# Altium PCB MiniRover.PcbDoc
Units mil, origin at the board's own origin, x right, y up, seen from the top; angles counter-clockwise.
Board outline 1425 x 870 mil, 2 copper layers (Top1, Bottom4), stack 42.17 mil thick; 56 components, 71 nets, 308 pads, 195 vias.
Unrouted connection lines stored in the file: 56.
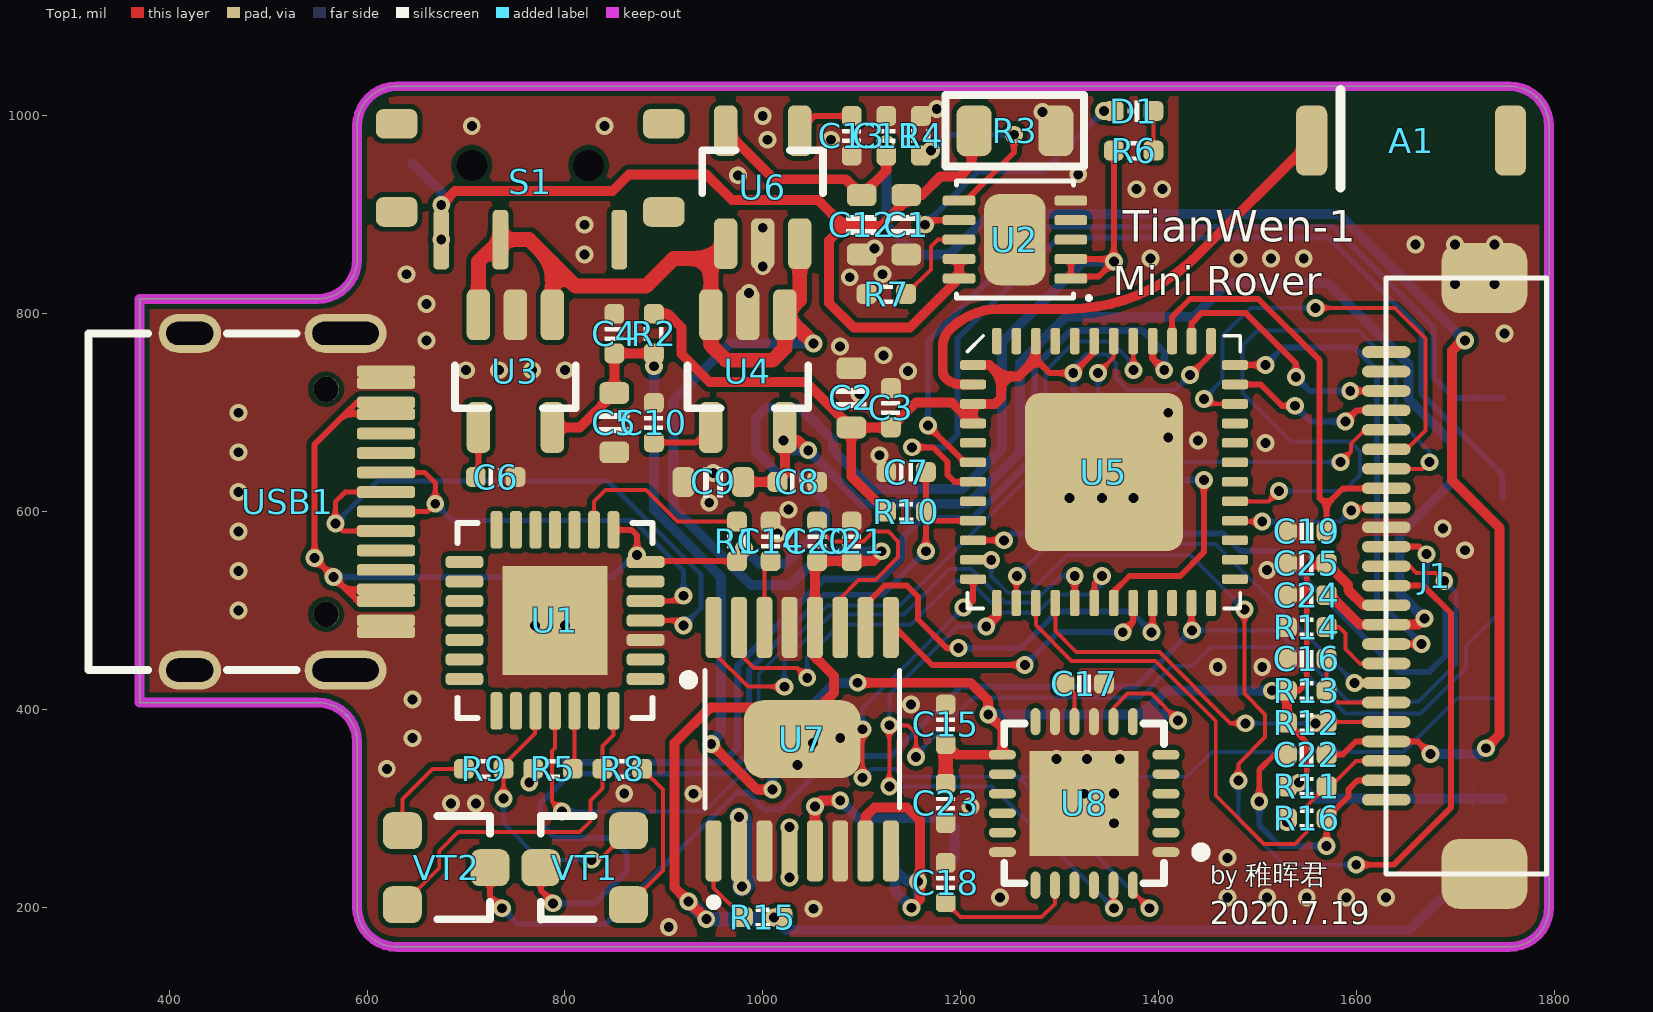
[diagram p0: Top1 view]
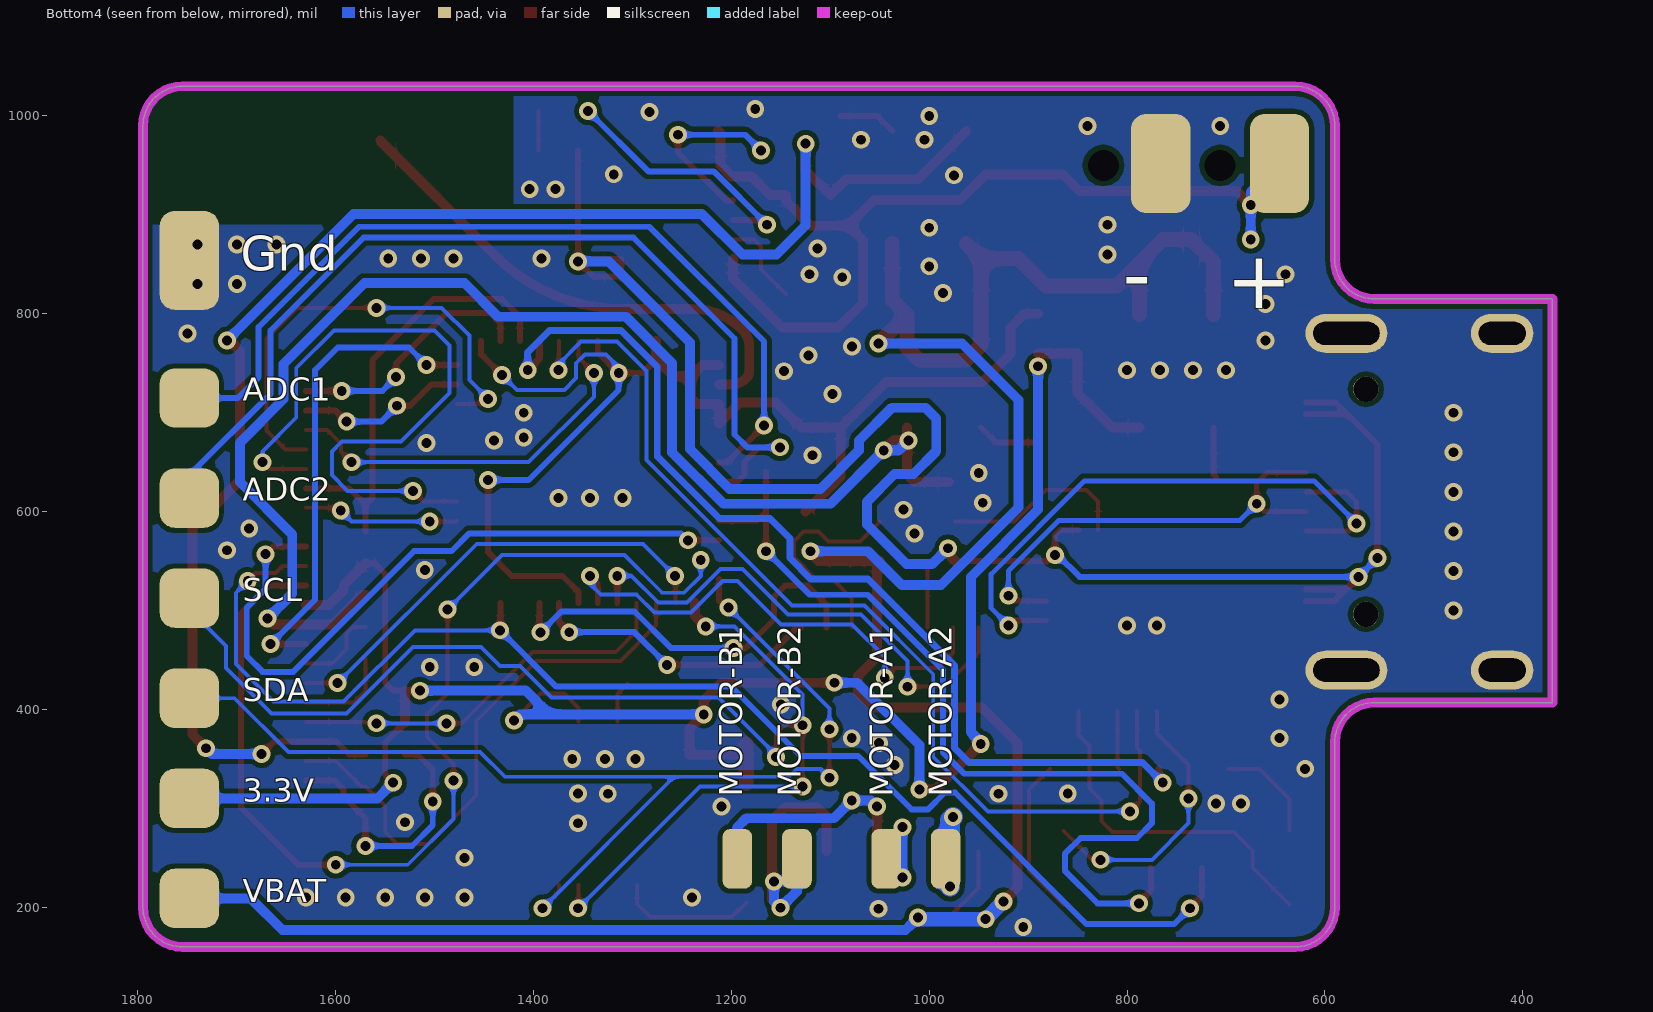
[diagram p1: Bottom4 view, seen from below]
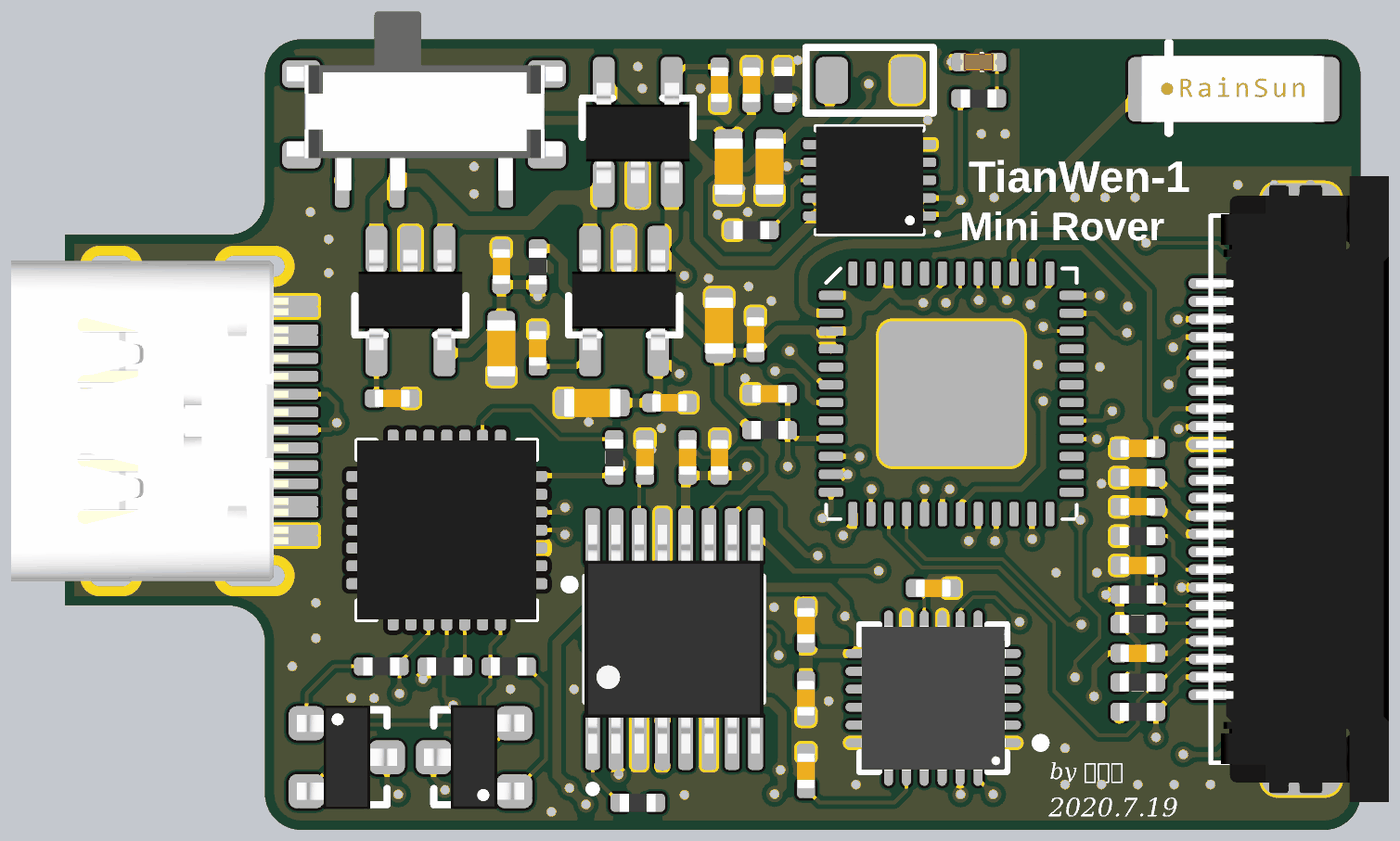
[diagram p2: 3D render of the assembled board from above, using the file's embedded part models]

## Layer stack, top to bottom
Top Solder: solder mask 0.4, Solder Resist, Dk 3.5
Top1: signal copper 1.4
Dielectric 2: core 39.37, PP-006, Dk 4.2
Bottom4: signal copper 1.4
Bottom Solder: solder mask 0.4, Solder Resist, Dk 3.5

## Board outline
370,407 370,815 550,815 ccw(c550,855) 590,855 590,990 cw(c630,990) 630,1030 1755,1030 cw(c1755,990) 1795,990 1795,200 cw(c1755,200) 1755,160 630,160 cw(c630,200) 590,200 590,367 ccw(c550,367) 550,407

## Design rules (kind name [scope] priority, off if disabled: settings)
Clearance [All] p1: gap=5 ignorepadtopadclearanceinfootprint=FALSE
ComponentClearance [All] p1: gap=0 collisioncheckmode=3 verticalgap=0 showdistances=FALSE
DiffPairsRouting [All] p1: maxlimit=9 minlimit=9 mostfreqgap=9 toplayer_minwidth=4 toplayer_maxwidth=4 toplayer_prefwidth=4 bottomlayer_minwidth=4 bottomlayer_maxwidth=4 bottomlayer_prefwidth=4 maxuncoupledlength=500
FanoutControl Fanout_BGA [All] p1: bgadir=Out bgaviamode=Centered fanoutstyle=Auto fanoutdirection=Alternating viagrid=1 // Fanout_BGA (Default Rule)
HoleSize [All] p1: absolutevalues=TRUE maxlimit=10000 minlimit=8 maxpercent=80.000 minpercent=20.000
MinimumSolderMaskSliver [All] p1 off: minsoldermaskwidth=2
PlaneClearance [All] p1: clearance=8
PlaneConnect [All] p1: planeconnectstyle=Direct reliefexpansion=20 reliefentries=4 reliefconductorwidth=10 reliefairgap=10
PolygonConnect [All] p1: connectstyle=Direct reliefconductorwidth=10 reliefentries=4 polygonreliefangle="90 Angle" airgapwidth=10
RoutingVias [All] p1: holewidth=8 width=16 viastyle="Through Hole" minholewidth=6 minwidth=12 maxholewidth=28 maxwidth=50
SilkToBoardRegionClearance [All] p1 off:
SilkToSilkClearance [All] p1: silktosilkclearance=0
SilkToSolderMaskClearance [IsPad] p1: minsilkscreentomaskgap=0 clearancetoexposedcopper=TRUE
SolderMaskExpansion [All] p1: expansion=3
Width [All] p1: maxlimit=10000 minlimit=4 preferedwidth=4
20 further rules are at their usual default settings.

## Classes and differential pairs
net class GND: GND

## Components (designator, comment, footprint, x,y, rotation, side; value= is the part's Value field where it differs from the comment)
A1 "RAINSUN" ANT-RAINSUN-AN5120 1655,975 r0 top
C1 "10uF" 0603-CAP 1145,890 r270 top value=0.1u
C2 "10uF" 0603-CAP 1089.57,715 r270 top value=0.1u
C3 "0.1uF" CAP_0402 1129.57,705 r270 top value=0.1u
C4 "0.1uF" CAP_0402 850,780 r270 top value=0.1u
C5 "10uF" 0603-CAP 850,690 r90 top value=0.1u
C6 "10nF" CAP_0402 730,635 r180 top value=0.1u
C7 "0.1uF" CAP_0402 1145,640 r180 top value=0.1u
C8 "0.1uF" CAP_0402 1035,630 r180 top value=0.1u
C9 "10uF" 0603-CAP 950,630 r0 top value=0.1u
C10 "10nF" CAP_0402 890,690 r270 top value=0.1u
C11 "0.1uF" CAP_0402 1125,980 r270 top value=0.1u
C12 "10uF" 0603-CAP 1100,890 r90 top value=0.1u
C13 "10nF" CAP_0402 1090,980 r90 top value=0.1u
C14 "2.2uF" CAP_0402 1008,570 r270 top value=0.1u
C15 "10nF" CAP_0402 1185,385 r90 top value=0.1u
C16 "0.1uF" CAP_0402 1550,451.11 r0 top value=0.1u
C17 "0.1uF" CAP_0402 1325,426 r0 top value=0.1u
C18 "2.2nF" CAP_0402 1185,225 r270 top value=0.1u
C19 "15pF" CAP_0402 1550,580 r180 top value=0.1u
C20 "10nF" CAP_0402 1055,570 r90 top value=0.1u
C21 "10uF" CAP_0402 1090,570 r270 top value=0.1u
C22 "0.1uF" CAP_0402 1550,354.44 r0 top value=0.1u
C23 "0.1uF" CAP_0402 1185,305 r90 top value=0.1u
C24 "0.1uF" CAP_0402 1550,515.56 r0 top value=0.1u
C25 "0.1uF" CAP_0402 1550,547.78 r0 top value=0.1u
D1 "color?" LED_0402_RED 1375,1005 r180 top
J1 "0.5S_A_24PWB" FPC-24P 1680,535 r90 top
R1 "10K" RES_0402 974,570 r90 top value=22R
R2 "0R" RES_0402 890,780 r90 top value=22R
R3 "BAT" 0805-L 1255,985 r0 top value=22R
R4 "2K" RES_0402 1160,980 r270 top value=22R
R5 "200R" RES_0402 788,340 r0 top value=22R
R6 "1K" RES_0402 1375,965 r0 top value=22R
R7 "10K" RES_0402 1125,820 r0 top value=22R
R8 "12K" RES_0402 858,340 r0 top value=22R
R9 "12K" RES_0402 718,340 r180 top value=22R
R10 "10K" RES_0402 1145,600 r0 top value=22R
R11 "10K" RES_0402 1550,322.22 r180 top value=22R
R12 "10K" RES_0402 1550,386.67 r180 top value=22R
R13 "10K" RES_0402 1550,418.89 r180 top value=22R
R14 "0R" RES_0402 1550,483.33 r180 top value=22R
R15 "47K" RES_0402 1000,190 r0 top value=22R
R16 "0R" RES_0402 1550,290 r180 top value=22R
S1 "SPDT 3P" SwitchSPDT_2.8X6.6_90 765,950 r180 top
U1 "CP2102" QFN-28 790,490 r180 top value=Value
U2 "MCP73833T-AMI/MF" QFN-10 1255,875 r180 top
U3 "LP2992 3V3" SOT23-5 750,740 r270 top
U4 "LP2992 1V2" SOT23-5 985,740 r270 top
U5 "ESP32_SIP" QFN-48_7X7 1345,640 r0 top
U6 "LP2992 2V8" SOT23-5 1000,930 r90 top
U7 "DRV8833PW" TSSOP-16 1040,370 r90 top
U8 "MPU6050" QFN-24 1325,305 r180 top
USB1 "Type-C" TYPE-C-TOP 520,610 r180 top
VT1 "S8050" SMT_TRIODE_NPN 820,240 r90 top
VT2 "S8050" SMT_TRIODE_NPN 680,240 r270 top

## Footprints (in the part's own frame and the unit in brackets; to place one, negate y for a bottom-side part, rotate by r counter-clockwise, add the part's x,y. Pads: shape width x height; smd on the part's side, far side on the other; paste and mask are expansions set on the pad)
0603-CAP [mil]
  rrect50% 22x30 smd: 1(-30,0) 2(30,0)
  silkscreen extent -10,-15 10,15, body extent -31,-16 32,16, height 31
0805-L [mm]
  rrect50% 0.9x1.3 smd: 1(-1.05,0) 2(1.05,0)
  silkscreen extent -1.78,-0.91 1.78,0.91, body extent -1,-0.6 1,0.6, height 0.76
ANT-RAINSUN-AN5120 [mm] "选择焊盘"
  rrect50% 0.8x1.8 smd: 1(-2.54,0) ""(2.563,0)
  silkscreen extent -1.8,-1.2 -1.8,1.3, body extent -2.57,-0.91 2.54,0.94, height 1.32
CAP_0402 [mil]
  rrect50% 20x20 smd: 1(-20,0) 2(20,0)
  silkscreen extent -7,-9 7,9, body extent -20,-10 20,10, height 20
FPC-24P [mm]
  oval 0.3x1.25 smd: 1(5.75,1.263) 2(5.25,1.263) 3(4.75,1.263) 4(4.25,1.263) 5(3.75,1.263) 6(3.25,1.263) 7(2.75,1.263) 8(2.25,1.263) 9(1.75,1.263) 10(1.25,1.263) 11(0.75,1.263) 12(0.25,1.263) 13(-0.25,1.263) 14(-0.75,1.263) 15(-1.25,1.263) 16(-1.75,1.263) 17(-2.25,1.263) 18(-2.75,1.263) 19(-3.25,1.263) 20(-3.75,1.263) 21(-4.25,1.263) 22(-4.75,1.263) 23(-5.25,1.263) 24(-5.75,1.263)
  rrect50% 1.8x2.2 smd: ""(-7.65,-1.263) ""(7.65,-1.263)
  silkscreen extent -7.65,-2.85 7.65,1.26, body extent -8.75,-3.72 8.75,1.68, height 2.12
LED_0402_RED [mil]
  rrect50% 20x20 smd: 1(-20,0) 2(20,0)
  silkscreen extent -6,-10 6,10, body extent -20,-10 20,10, height 18
QFN-10 [mm]
  rrect50% 0.84x0.26 smd: 1(-1.435,1) 2(-1.435,0.5) 3(-1.435,0) 4(-1.435,-0.5) 5(-1.435,-1) 6(1.435,-1) 7(1.435,-0.5) 8(1.435,0) 9(1.435,0.5) 10(1.435,1)
  rrect50% 1.58x2.35 smd: 11(0,0)
  silkscreen extent -1.95,-1.5 1.5,1.55, body extent -1.5,-1.5 1.5,1.5, height 0.6
QFN-24 [mm] "QFN, 24-Leads, Body 4.1x4.1mm (max), Pitch 0.50mm, IPC Low Density"
  oval 0.7x0.25 smd: 1(-2.1,1.25) 2(-2.1,0.75) 3(-2.1,0.25) 4(-2.1,-0.25) 5(-2.1,-0.75) 6(-2.1,-1.25) 13(2.1,-1.25) 14(2.1,-0.75) 15(2.1,-0.25) 16(2.1,0.25) 17(2.1,0.75) 18(2.1,1.25)
  oval 0.25x0.7 smd: 7(-1.25,-2.1) 8(-0.75,-2.1) 9(-0.25,-2.1) 10(0.25,-2.1) 11(0.75,-2.1) 12(1.25,-2.1) 19(1.25,2.1) 20(0.75,2.1) 21(0.25,2.1) 22(-0.25,2.1) 23(-0.75,2.1) 24(-1.25,2.1)
  rect 2.8x2.7 smd: ""(0,0)
  silkscreen extent -3.13,-2.05 2.05,2.05, body extent -2.02,-2.02 2.02,2.02, height 0.95
QFN-28 [mil]
  rrect50% 38x12 smd mask+5: 1(-91.5,59.06) 2(-91.5,39.37) 3(-91.5,19.68) 4(-91.5,0) 5(-91.5,-19.69) 6(-91.5,-39.37) 7(-91.5,-59.06) 15(91.5,-59.06) 16(91.5,-39.37) 17(91.5,-19.69) 18(91.5,0) 19(91.5,19.68) 20(91.5,39.37) 21(91.5,59.06)
  rrect50% 12x38 smd mask+5: 8(-59.06,-91.5) 9(-39.37,-91.5) 10(-19.69,-91.5) 11(0,-91.5) 12(19.68,-91.5) 13(39.37,-91.5) 14(59.06,-91.5) 22(59.06,91.5) 23(39.37,91.5) 24(19.68,91.5) 25(0,91.5) 26(-19.69,91.5) 27(-39.37,91.5) 28(-59.06,91.5)
  rect 106.3x110.24 smd: 29(0,0)
  silkscreen extent -140,-99 99,99, body extent -99,-99 98,98, height 35
QFN-48_7X7 [mm]
  rrect20% 4.064x4.064 smd: 0(0,0)
  rrect50% 0.675x0.25 smd: 1(-3.363,2.75) 2(-3.363,2.25) 3(-3.363,1.75) 4(-3.363,1.25) 5(-3.363,0.75) 6(-3.363,0.25) 7(-3.363,-0.25) 8(-3.363,-0.75) 9(-3.363,-1.25) 10(-3.363,-1.75) 11(-3.363,-2.25) 12(-3.363,-2.75) 25(3.363,-2.75) 26(3.363,-2.25) 27(3.363,-1.75) 28(3.363,-1.25) 29(3.363,-0.75) 30(3.363,-0.25) 31(3.363,0.25) 32(3.363,0.75) 33(3.363,1.25) 34(3.363,1.75) 35(3.363,2.25) 36(3.363,2.75)
  rrect50% 0.25x0.675 smd: 13(-2.75,-3.363) 14(-2.25,-3.363) 15(-1.75,-3.363) 16(-1.25,-3.363) 17(-0.75,-3.363) 18(-0.25,-3.363) 19(0.25,-3.363) 20(0.75,-3.363) 21(1.25,-3.363) 22(1.75,-3.363) 23(2.25,-3.363) 24(2.75,-3.363) 37(2.75,3.363) 38(2.25,3.363) 39(1.75,3.363) 40(1.25,3.363) 41(0.75,3.363) 42(0.25,3.363) 43(-0.25,3.363) 44(-0.75,3.363) 45(-1.25,3.363) 46(-1.75,3.363) 47(-2.25,3.363) 48(-2.75,3.363)
  silkscreen extent -3.5,-3.5 3.5,3.5, body extent -3.5,-3.5 3.5,3.5, height 1
RES_0402 [mil]
  rrect50% 20x20 smd: 1(-20,0) 2(20,0)
  silkscreen extent -7,-10 7,10, body extent -20,-10 20,10, height 14
SMT_TRIODE_NPN [mm] "Surface mount NPN transistor, package SOT-23"
  rrect50% 0.95x1 smd: 1(-0.95,-1.125) 2(0.95,-1.125) 3(0,1.125)
  silkscreen extent -1.33,-0.22 1.32,1.13, body extent -1.45,-1.4 1.45,1.4, height 1.3
SOT23-5 [mm] "SOT23, 3-Leads, Body 3.1x3.0mm (max), Pitch 0.95mm, IPC Medium Density"
  rrect50% 1.3x0.6 smd: 1(-1.5,0.95) 2(-1.5,0) 3(-1.5,-0.95) 4(1.396,-0.95) 5(1.396,0.95)
  silkscreen extent -0.2,-1.55 0.9,1.55, body extent -1.48,-1.45 1.32,1.45, height 1.2
SwitchSPDT_2.8X6.6_90 [mil]
  rrect50% 42x30 smd: 0(-135,-42) 0(-135,47) 0(135,-42) 0(135,47)
  round 10 hole 31.5: 0(-59.06,0) 0(59.06,0)
  rrect50% 16x60 smd: 1(90,75) 2(30,75) 3(-90,75)
  body extent -152,-111 151,86, height 55
TSSOP-16 [mm]
  rrect50% 1.57x0.41 smd: 1(-2.87,2.275) 2(-2.87,1.625) 3(-2.87,0.975) 4(-2.87,0.325) 5(-2.87,-0.325) 6(-2.87,-0.975) 7(-2.87,-1.625) 8(-2.87,-2.275) 9(2.87,-2.275) 10(2.87,-1.625) 11(2.87,-0.975) 12(2.87,-0.325) 13(2.87,0.325) 14(2.87,0.975) 15(2.87,1.625) 16(2.87,2.275)
  rrect50% 2x3 smd: PAD(0,0)
  silkscreen extent -4.29,-2.5 1.77,2.5, body extent -3.2,-2.5 3.2,2.5, height 1.2
TYPE-C-TOP [mm]
  round 0.65 hole 0.65: 0(-0.98,2.89) 0(-0.98,-2.89)
  oval 1.6x1 hole 0.6 slot 1.2 at 0 deg: 1(2.52,4.325) 2(2.52,-4.325)
  oval 2.1x1 hole 0.6 slot 1.7 at 0 deg: 3(-1.48,-4.325) 4(-1.48,4.325)
  rrect50% 1.5x0.3 smd: A1(-2.52,-3.35) A4(-2.52,-2.55) A5(-2.52,-1.25) A6(-2.52,-0.25) A7(-2.52,0.25) A8(-2.52,1.25) A9(-2.52,2.55) A12(-2.52,3.35) B1(-2.52,3.05) B4(-2.52,2.25) B5(-2.52,1.75) B6(-2.52,0.75) B7(-2.52,-0.75) B8(-2.52,-1.75) B9(-2.52,-2.25) B12(-2.52,-3.05)
  silkscreen extent -0.22,-4.33 5.12,4.33, body extent -2.44,-4.48 5.31,4.48, height 3.26

## Part data
A1: library part ANT-Rainsun-AP5120
C1 C2 C5 C9 C12: library part 电容-0603, "Capacitor"
C3 C4 C6 C7 C8 C10 C11 C13 C14 C15 C16 C17 C18 C19 C20 C21 C22 C23 C24 C25: library part 电容-0402, "Capacitor"
D1: library part LED_0402, "LED", Type=0402
J1: library part OV2640, "Header, 24-Pin", LatestRevisionDate=17-Jul-2002, LatestRevisionNote="Re-released for DXP Platform.", Publisher="Altium Limited"
R1 R2 R4 R5 R6 R7 R8 R9 R10 R11 R12 R13 R14 R15 R16: library part 电阻-0402, "Resistor"
R3: library part 电阻-0805, "Resistor"
S1: library part SwitchSPDT_2.8x6.6_90, "Switch", Type=SPDT
U1: "USBתTTL", MFG #1="SILICON LABS", PART DESC="SINGLE-CHIP USB TO UART BRIDGE, QFN28, RoHS.", PART NUMBER=CP2102, RefDes=RefDes, Type=DEV
U2: library part MCP73833T, "Linear Charge Management Controller Li-Ion/Li-Pol 1mA 4.2V/4.35V/4.4V/4.5V 10-Pin DFN EP T/R", Package="DFN-10 Microchip", Availability=Unavailable, MF=Microchip, MP=MCP73833T-AMI/MF, Price=None, SnapEDA_Link=https://www.snapeda.com/parts/MCP73833T-AMI/MF/Microchip/view-part/?ref=snap
U3 U4 U6: library part LP2992, "LDO"
U5: library part ESP32-PICO
U8: "六轴传感器"
USB1: library part USB-Type-C-TOP
VT1 VT2: library part SMT_TRIODE_NPN, "Surface mount NPN transistor, package SOT-23"
U7: SnapEDA_Link=https://www.snapeda.com/parts/DRV8833PW/Texas%20Instruments/view-part/507725/?ref=snap

## Free pads (board coordinates)
  rrect50% 60x100 smd far side: ""(646,952) ""(766,952) ""(1748,854)
  rrect50% 30x60 smd far side: ""(983.5,249) ""(1043.67,249) ""(1133.83,249) ""(1194,249)
  rrect50% 60x60 smd far side: ""(1748,209) ""(1748,310.17) ""(1748,411.33) ""(1748,512.5) ""(1748,613.67) ""(1748,714.83)

## Via types
v1: diameter 18, hole 10, Top1 to Bottom4, tented both sides, 195 vias

## Nets (pads, with @x,y where several pads share a name; then routed paths per layer and width w, separated by ;. In a path a pad name is that pad's centre, name@x,y a point inside that pad or via, vN(x,y) a via of type N, cw(c..) or ccw(c..) an arc to the next point about the centre after c; other vN are vias at no path point)
3V3A: C2.2 C3.2 R2.2 R10.1 U5.1 U5.3 U5.4 U5.19 U5.37 U5.43 U5.46 | length 1337.1
  Top1 w6: 1276.1,754.1 1290.2,740 v1(1314,740) 1335.16,761.16 U5.43 ; U5.19 1354.84,519.02 1370.83,535 1422,535 1446,559 v1(1446,632) ; v1(1432,738) 1453.27,759.27 U5.37
  Top1 w10: R2.2 904,800 918,786 918,759.27 946.27,731 1043.57,731 C2.2 ; R10.1 1089.57,635.43 C2.2 ; U5.1 1229.46,748.27 1241,736.73 ; U5.46 1276.1,754.1 1258.73,736.73 1241,736.73 ; C2.2 C3.2 1154.96,710.39 1191.44,710.39 U5.4 U5.3 1234.9,708.9 1241,715 1241,736.73
  Bottom4 w4: v1(1314,740) 1314,746 1327,759 1348,759 1357,750 1357,735 1369,723 1417,723 v1(1432,738)
  Bottom4 w6: v1(1314,740) 1314,723 1405,632 v1(1446,632)
ADC1: pad.@1748,714.83 U5.6 | length 876.4
  Top1 w6: v1(1167,687) 1204.16,649.84 U5.6
  Bottom4 w6: v1(1167,687) 1167,772 1283,888 1576.62,888 1678,786.62 1678,736 1699.17,714.83 pad.@1748,714.83
ADC2: pad.@1748,613.67 U5.7 | length 985.7
  Top1 w6: v1(1151,665) 1172.21,665 1187,650.21 1187,637 1193.84,630.16 U5.7
  Bottom4 w6: v1(1151,665) 1184,665 1197,678 1197,775 1299,877 1572.06,877 1665.88,783.18 1665.88,719.12 1748,637 pad.@1748,613.67
AGND: C22.1 J1.23 R16.1 | length 275.4
  Top1 w6: v1(1502,307) 1502,339 1517.44,354.44 C22.1 ; v1(1570,262) R16.1 1592,312 1592,319 1601.32,328.32 J1.23
  Bottom4 w6: v1(1502,307) 1502,283 1523,262 v1(1570,262)
AVDD: C11.2 C12.2 C22.2 J1.21 U6.5 | length 1583.7
  Top1 w6: C22.2 1586.44,354.44 1599.69,367.69 J1.21 1662.31,367.69 v1(1675,355)
  Top1 w10: U6.5 1011.54,936 1084,936 C12.2 1125,945 C11.2 ; v1(1710,773) 1707,773 1697,763 1697,631.67 1745,583.67 1745,374.58 v1(1731.24,360.82)
  Bottom4 w10: v1(1125,972) 1125,889.42 1154.42,860 1189,860 1230,901 1582,901 v1(1710,773) ; v1(1675,355) 1725.42,355 v1(1731.24,360.82)
CAM_PWDN: J1.17 R14.1 | length 84.9
  Top1 w4: R14.1 1582.67,483.33 1589,477 1589,461 1603.57,446.43 J1.17
CAM_RESET: C16.2 J1.19 R13.1 | length 97.4
  Top1 w4: C16.2 R13.1 1581.83,407.06 J1.19
CP_Rx: U1.25 U5.41 | length 1027.9
  Top1 w4: U1.25 790,361 787,358 787,307 v1(797,297) ; v1@1374.53,743.47 U5.41
  Bottom4 w4: v1(797,297) 940.86,297 996,352.14 996,435.59 1065.41,505 1139,505 1286,652 1286,742.33 1315.67,772 1352,772 1375,749 v1(1375,743)
CP_Tx: R5.1 U5.40 | length 1021.8
  Top1 w7: v1(764,326) 768,330 R5.1 ; U5.40 1394.21,754.79 v1(1406,743)
  Bottom4 w7: v1(764,326) 784.5,346.5 959.95,346.5 974.5,361.05 974.5,444.5 1062,532 1120,532 1141,553 1141,573 1161,593 1212.15,593 1275,655.85 1275,746.18 1311.82,783 1384,783 1406,761 v1(1406,743)
DOVDD: C4.2 C5.2 C15.1 C23.2 C25.2 J1.14 pad.@1748,310.17 R2.1 R11.2 R12.2 R13.2 U3.5 U8.8 U8.13 | length 2114.1
  Top1 w4: U8.8 1354.53,401.53 1369,416 1393,416 v1(1420,389)
  Top1 w6: v1(1515,419) 1542,419 1550,427 1550,537 1560.78,547.78 C25.2 ; R12.2 1550,366.67 1550,334 v1(1542,326)
  Top1 w10: U3.5 815.06,685.06 C5.2 C4.2 R2.1 ; v1(948,365) 994,319 v1(1010,319) ; v1(1096,427) 1210,427 1228,409 v1(1228,395) 1242.32,380.68 U8.13 1195.79,354.21 C15.1 ; R12.2 R13.2 ; C25.2 1592,525.78 1592,520.56 1607.07,505.49 J1.14
  Top1 w15: C23.2 C15.1
  Bottom4 w10: v1(890,747) 890,602 958,534 958,377 948,367 v1(948,365) ; v1(1010,319) 1010,364 1073,427 v1(1096,427) ; v1(1228,395) 1384,395 ; v1(1420,389) 1414,395 1384,395 ; v1(1515,419) 1408,419 1384,395 ; v1(1542,326) 1557.83,310.17 pad.@1748,310.17
DTR: R8.1 U1.28 VT2.2 | length 356.3
  Top1 w4: VT2.2 673,239.89 673,257 692,276 815,276 826,287 826,308 838,320 R8.1 838,363 849.06,374.06 U1.28
DVDD: C8.2 C9.2 C24.2 J1.15 U4.5 | length 1380
  Top1 w10: C9.2 C8.2 1022.4,637.4 U4.5@1022.4,672 ; U4.5 U4.5@1022.4,672 ; v1(1046,662) 1036,672 U4.5@1022.4,672 ; C24.2 1573.67,515.56 1603.42,485.8 J1.15 1662.8,485.8 v1(1669,492)
  Bottom4 w10: v1(1021,672) 1031,662 v1(1046,662) 1100,608 1208.06,608 1260,659.94 1260,750.28 1306.72,797 1436,797 1470,831 1571,831 1652.88,749.12 1652.88,713.73 1697,669.62 1697,630 1644,577 1644,517 v1(1669,492)
EN: C7.1 R10.2 U5.9 VT1.3 | length 943.5
  Top1 w6: VT1.3 775.71,217.29 788,205 v1(788,204) ; v1(1165,560) R10.2 ; C7.1 R10.2 ; U5.9 1174.21,590.79 R10.2
  Bottom4 w6: v1(788,204) 830,204 863,237 863,254 847,270 790,270 775,285 775,304.84 805.16,335 964.72,335 986,356.28 986,439.74 1062.26,516 1121,516 v1(1165,560)
FLASH_CLK: U5.31
FLASH_CS: U5.25
FLASH_SD0: U5.27
FLASH_SD1: U5.33
FLASH_SD2: U5.30
FLASH_SD3: U5.32
GND: C1.2 C2.1 C3.1 C4.1 C5.1 C6.1 C7.2 C8.1 C9.1 C10.1 C11.1 C12.1 C13.1 C14.1 C15.2 C16.1 C17.2 C18.1 C19.2 C21.1 C23.1 C24.1 C25.1 J1. J1.10 pad.@766,952 pad.@1748,854 R3.2 R4.1 R7.1 R14.2 R16.2 U1.3 U1.29 U2.5 U2.11 U3.2 U4.2 U5.0 U6.2 U7.3 U7.6 U7.13 U7.PAD U8. U8.1 U8.9 U8.11 U8.18 USB1.1 USB1.2 USB1.3 USB1.4 USB1.A1 USB1.A12 USB1.B1 USB1.B12
  other v1: 905,180 1051.46,198.54 1240,210 1470,210 1510,210 1550,210 1590,210 1630,210 1470,250 1355,285 1530,286 1210,301.8 685,305 710,305 860,315 930,314.84 1325,314.84 1355,315 620,340 1035,344 1297,350 1328,350 1361,350 1051,366 646,371 1078.39,371 1150,405 646,410 1460,443 1505,443 770,485 800,485 470,500 470,540 1510,541.1 1710,561 1015,578 470,580 1687.58,583.1 1026,602 946,609 1310,613.67 1343,613.67 1375,613.67 470,620 950,639 1118,657 470,660 1508.27,669.53 1440,672 1410,675 470,700 1410,700 1098,719 1147,742 700,743 733.33,743 766.67,743 800,743 1122,758 1078,767 660,773 1750,780 660,810 986,821 1700,830 1740,830 1088,837 640,840 1121,840 1000,848 1392,856 1481,856 1514,856 1547,856 820,860 1113,866 1660,870 1700,870 1740,870 1000,887 820,890 1378,926 1404,926 975,940 1319,941 1005,976 1069,976 705.94,990 840,990 1000,1000 1283,1004 1176,1007
GPIO0: J1.12 U5.23 VT2.3 | length 1406.8
  Top1 w4: J1.12 1654.14,544.86 1661,538 1681,538 v1(1689,530)
  Top1 w6: VT2.3 724.29,211.29 v1(736.58,199) ; v1@1433.58,480.42 U5.23
  Bottom4 w4: v1(1434,480) 1520,480 1592,408 1663,408 1701,446 1701,518 v1(1689,530)
  Bottom4 w6: v1(736.58,199) 752.58,183 841,183 974,316 984.17,316 1001.17,299 1018,299 1072,353 ; 1098,353 1072,353 ; v1(1434,480) 1377,423 1200,423 1130,353 1072,353
GPIO2: U5.22
GPIO4: U5.24
GPIO5: J1.6 U5.34 | length 475.4
  Top1 w4: v1(1446,714) 1451.1,708.9 U5.34 ; v1(1559,806) 1639,806 1670,775 1670,682 1650.97,662.97 J1.6
  Bottom4 w4: v1(1446,714) 1465,733 1465,778 1493,806 v1(1559,806)
GPIO9: J1.9 U5.28 | length 159
  Top1 w4: U5.28 1478.17,590 v1(1505,590) ; v1(1595,601) 1597.91,603.91 J1.9
  Bottom4 w4: v1(1505,590) 1584,590 v1(1595,601)
GPIO10: J1.7 U5.29 | length 685.6
  Top1 w4: U5.29 1511.47,610.47 v1(1522,621) ; J1.7 1667.28,643.28 v1(1674,650)
  Bottom4 w4: v1(1522,621) 1588,621 1604,637 1604,661 1594,671 1534,671 1485,720 1485,768 1500,783 1602.03,783 1640,745.03 1640,695 1674,661 v1(1674,650)
GPIO12: U5.18 U7.15 | length 520.1
  Top1 w4: U7.15 976.02,456.98 991,442 1035,442 v1(1045,432)
  Top1 w6: U5.18 1335.16,527.16 v1(1343,535)
  Bottom4 w4: v1(1045,432) 1045,453 1078,486 1150,486 1194,530 1209,530 1241,498 1278,498 1296,516 1332,516 1343,527 v1@1343,531
  Bottom4 w6: v1@1343,531 v1(1343,535)
GPIO13: U5.20 U7.9 | length 300.6
  Top1 w6: U7.9 1133.57,482.99 1171.56,445 v1(1265,445) ; v1(1364,478.11) 1374.53,488.64 U5.20
  Bottom4 w6: v1@1263,443 v1(1265,445) 1298.11,478.11 v1(1364,478.11)
GPIO14: U5.17 U7.16 | length 521.9
  Top1 w4: U7.16 950.43,457.57 985,423 v1(1022,423)
  Top1 w6: U5.17 v1(1315.47,535)
  Bottom4 w4: v1(1022,423) 1022,448.87 1069.13,496 1142.73,496 1188.73,542 1211,542 1245,508 1274,508 1301,535 v1(1315.47,535)
GPIO15: U5.21 U7.10 | length 413.7
  Top1 w6: U7.10 1103.98,505.98 1123.17,525.17 1145.83,525.17 1157,514 1157,491 1186,462 v1(1198,462) ; v1(1393,478) 1394.21,479.21 U5.21
  Bottom4 w6: v1(1198,462) 1261,462 1298,499 1372,499 v1(1393,478)
GPIO18: J1.4 U5.35 | length 173.2
  Top1 w6: U5.35 1503.42,728.58 1525,707 v1(1538,707) ; v1(1589,691) 1600.34,702.34 J1.4
  Bottom4 w6: v1(1538,707) 1554,691 v1(1589,691)
GPIO19: J1.3 U5.38 | length 260.1
  Top1 w6: U5.38 1433.58,790.58 1444,801 1488,801 1539,750 v1(1539,736) ; v1(1594.02,722.02) J1.3
  Bottom4 w6: v1(1539,736) 1552.98,722.02 v1(1594.02,722.02)
GPIO21: J1.5 U5.42 | length 399.8
  Top1 w4: v1(1339,740) 1354.84,755.84 U5.42 ; v1(1584,650) 1594.63,660.63 1594.63,668.63 1608.65,682.65 J1.5
  Bottom4 w4: v1(1339,740) 1339,716 1405,650 v1(1584,650)
GPIO22: C19.1 J1.8 U5.39 | length 449.9
  Top1 w6: U5.39 1413.9,796.9 1432,815 1501,815 1563,753 1563,614 1570,607 ; C19.1 1570,607 ; J1.8 1586.6,623.6 1570,607
GPIO23: J1.16 U5.36 | length 491.6
  Top1 w6: U5.36 v1(1508.27,748.27) ; J1.16 v1(1665.88,466.12)
  Bottom4 w6: v1(1508.27,748.27) 1526,766 1598,766 1621,743 1621,511 v1(1665.88,466.12)
GPIO25: J1.18 U5.14 | length 472.7
  Top1 w4: U5.14 1256.42,534.42 v1(1257,535) ; v1(1598.25,426.75) J1.18
  Bottom4 w4: v1(1257,535) 1289.5,567.5 1457.5,567.5 v1(1598.25,426.75)
GPIO26: J1.22 R11.1 U5.15 | length 558.2
  Top1 w4: U5.15 1276.1,485.24 1312.34,449 1397.27,449 1458,388.27 1458,313 1507,264 1538,264 1550,276 1550,302.22 R11.1 ; R11.1@1574.22,322.22 1600.01,348.01 J1.22
GPIO27: J1.20 R12.1 U5.16 | length 390.8
  Top1 w4: U5.16 1295.79,479.21 1317,458 1401,458 1473,386 v1(1488,386) ; R12.1 1570.71,387.38 J1.20
  Bottom4 w4: v1(1488,386) v1(1559,386)
GPIO32: pad.@1748,411.33 U5.12 U8.24 | length 1153.6
  Top1 w4: v1(1101,331) v1(1101,380) ; U8.24 1374.21,215.79 v1(1391,199)
  Top1 w6: v1(1203,503) 1205.38,503 1212.62,510.24 U5.12
  Bottom4 w4: v1(1101,331) 1110,340 1134,340 1142,332 1258,332 ; v1(1101,380) 1101,401 v1(1203,503) ; v1(1391,199) 1258,332 ; pad.@1748,411.33 1702.33,411.33 1648,357 1454,357 1429,332 1258,332
GPIO33: pad.@1748,512.5 U5.13 U8.23 | length 1347.9
  Top1 w4: v1(1128,322) v1(1128,384) 1147,384 1155,376 v1(1155,352) ; v1(1226,484) v1@1230,484 ; v1@1352,196 v1@1354.53,198.53 ; U8.23 v1@1354.53,198.53 ; v1(1355,199) v1@1354.53,198.53
  Top1 w10: v1(1226,484) 1236.73,494.73 U5.13
  Bottom4 w4: v1(1128,322) 1232,322 v1(1355,199) ; v1(1128,384) 1128,415.27 1196.73,484 v1(1226,484) ; v1(1155,352) 1155,354 1213,412 1382,412 1414,444 1434,444 1453,463 1522,463 1589,396 1665,396 1711,442 1711,464 1748,501 pad.@1748,512.5
GPIO34: J1.11 U5.10 | length 699.6
  Top1 w6: U5.10 1243.9,571.1 v1(1244,571) ; J1.11 1663.46,564.54 v1(1671,557)
  Bottom4 w6: v1(1244,571) 1251,578 1465,578 1483,560 1521,560 1643,438 1674,438 1690,454 1690,503 1671,522 v1(1671,557)
GPIO35: J1.13 U5.11 | length 1080.7
  Top1 w4: v1(1481,328) 1481,345 1508,372 1508,395 1487,416 v1(1487,501)
  Top1 w6: v1(1600,243) 1638,243 1696,301 1696,497 1667.83,525.17 J1.13
  Bottom4 w4: v1(1231,551) 1231,535 1248,518 1270,518 1308,556 1432,556 v1(1487,501) ; v1(1481,328) 1481,289.27 1527.27,243 v1(1600,243)
MOTOR_A_1: pad.@983.5,249 U7.2 | length 149.2
  Top1 w10: v1(976.02,291.18) U7.2 976.02,223.98 v1(979,221)
  Bottom4 w20: v1(976.02,291.18) 979,288.2 v1(979,221) pad.@983.5,225.5
MOTOR_A_2: pad.@1043.67,249 U7.4 | length 50.8
  Bottom4 w10: v1@1027.2,230.2 v1(1027.2,281)
  other v1: 1027,230
MOTOR_B_1: pad.@1133.83,249 U7.7 | length 304.9
  Top1 w10: U7.7 1103.98,291.98 1113,301 1146,301 1159,288 1159,208 v1(1150.5,199.5)
  Bottom4 w10: pad.@1133.83,249 pad.@1133.83,238 ; pad.@1133.83,238 1133.83,216.17 v1(1150.5,199.5) 1157,206 v1(1157,226) 1145.83,226 pad.@1133.83,238
MOTOR_B_2: pad.@1194,249 U7.5 | length 259.9
  Top1 w10: U7.5 v1(1052.8,301.8) 1059,308 v1(1078.39,308)
  Bottom4 w10: v1(1052.8,301.8) 1059,308 v1(1078.39,308) 1096.39,290 1185,290 1194,281 pad.@1194,249
NetA1_1: A1.1 U5.2 | length 515.2
  Top1 w10: U5.2 1200.49,728.58 cw(c1200.49,750.49) 1185,735 cw(c1192.24,742.24) 1182,742.24 1182,767.1 cw(c1205.9,767.1) 1189,784 cw(c1239.7,733.3) 1239.7,805 1309.39,805 ccw(c1309.39,987.54) 1438.46,858.46 A1.1
NetC6_2: C6.2 U3.4 | length 51.1
  Top1 w6: C6.2 712.6,637.6 U3.4
NetC10_2: C10.2 U4.4 | length 63.8
  Top1 w6: C10.2 932.54,670 U4.4
NetC13_2: C13.2 U6.4 | length 58.8
  Top1 w6: U6.4 1052.46,1000 C13.2
NetC14_2: C14.2 U7.14 | length 69.7
  Top1 w4: U7.14 1001.61,543.61 C14.2
NetC17_1: C17.1 U8.10 | length 42.5
  Top1 w4: C17.1 1315.16,415.84 U8.10
NetC18_2: C18.2 U8.20 | length 141.1
  Top1 w4: C18.2 1200,190 1282,190 1295.47,203.47 U8.20
NetC20_2: C20.2 U7.11 | length 224.8
  Top1 w4: C20.2@1050,590 1070,570 1101.9,570 1111.9,580 1127,580 1137,570 1137,554 1114,531 1097,531 1078.39,512.39 U7.11
NetD1_1: D1.1 R6.2 | length 40
  Top1 w4: R6.2 D1.1
NetD1_2: D1.2 U2.7 | length 265.1
  Top1 w6: v1(1164,890) 1168.69,894.69 U2.7
  Bottom4 w6: v1(1164,890) 1218,944 1284,944 v1(1345,1005)
NetR1_2: R1.2 U1.9 | length 191.6
  Top1 w4: U1.9 829.37,610.37 841,622 882,622 914,590 R1.2
NetR4_2: R4.2 U2.6 | length 184.3
  Top1 w6: U2.6 1205.37,914.37 1254,963 v1(1254,981)
  Bottom4 w6: v1(1170,965) 1186,981 v1(1254,981)
NetR5_2: R5.2 U1.26 | length 59.2
  Top1 w4: R5.2 809.69,341.69 U1.26
NetR7_2: R7.2 U2.8 | length 89.7
  Top1 w4: R7.2 1170,845 1170,867.94 1177.06,875 U2.8
NetR8_2: R8.2 VT1.1 | length 160.5
  Top1 w4: VT1.1 899,237.31 899,319 R8.2
NetR9_2: R9.2 VT2.1 | length 107.1
  Top1 w4: VT2.1 635.71,309.71 666,340 R9.2
NetR15_1: R15.1 U7.1 | length 79.3
  Top1 w4: U7.1 950.43,219.57 R15.1
RTS: R9.1 U1.24 VT1.2 | length 280.7
  Top1 w4: v1(738,310) R9.1 738,344 769.84,375.84 769.84,398.03 U1.24 ; v1(827,248) 834.89,248 VT1.2
  Bottom4 w4: v1(738,310) 738,285 775,248 v1(827,248)
SENSOR_VN: U5.8
SENSOR_VP: U5.5
USB-PWR-DM: U1.5 USB1.A7 USB1.B7 | length 473.2
  Top1 w5: USB1.A7 661.16,600.16 v1(669,608) 669,629 658.47,639.53 USB1.B7 ; U1.5 914.69,509.69 v1(920,515)
  Bottom4 w5: v1(669,608) 686,591 869.18,591 920,540.18 v1(920,515)
USB-PWR-DP: U1.4 USB1.A6 USB1.B6 | length 657.6
  Top1 w5: USB1.B6 575.53,580.47 v1(568,588) 568,610 577.84,619.84 USB1.A6 ; U1.4 915,490 v1(920,485)
  Bottom4 w5: v1(568,588) 611,631 843.32,631 937.5,536.82 937.5,502.5 v1(920,485)
VBAT: C20.1 C21.2 pad.@1748,209 R15.2 S1.2 U3.1 U3.3 U4.1 U4.3 U6.1 U6.3 U7.12 | length 2698
  Top1 w10: v1(943,188) v1(925,206) 911,220 911,366 947,402 1057.11,402 1072,416.89 1072,434 1052.8,453.2 U7.12 1052.8,547.2 1050,550 C20.1 C21.2 1112,550 1120,558 v1(1120,560)
  Top1 w15: U3.3 712.6,852.6 S1.2 764,875 787.4,851.6 ; U3.1 787.4,851.6 ; U6.1 947.6,855.94 ; U6.3 1037.4,814.06 U4.1 ; v1(1051.46,770) U4.1 ; 787.4,851.6 811,828 882,828 909.95,855.94 947.6,855.94 ; 947.6,855.94 U4.3 947.6,768.4 963,753 1010,753 1022.4,765.4 U4.1
  Bottom4 w10: v1(1011.46,189.54) 1024,177 1654,177 1686,209 pad.@1748,209 ; v1(1051.46,770) 967,770 910,713 910,604 988,526 1027.9,526 1061.9,560 v1(1120,560)
  Bottom4 w15: v1(925,206) v1(943,188) v1@1009.93,188
VBAT_IN: C1.1 pad.@646,952 R3.1 S1.1 U2.9 U2.10 | length 1025.6
  Top1 w10: v1(675,875) v1(675,910) 689,924 848,924 865,941 943,941 969,915 1056,915 1082,889 ; U2.9 U2.10 1148.87,786 1092,786 1067,811 1067,874 1082,889 ; R3.1 1211.27,982.61 1211.27,950.27 1200,939 1180,939 1161,920 C1.1 1145,914 1120,889 1082,889
  Bottom4 w10: pad.@646,952 675,923 v1(675,910) v1(675,875)
VDD_5V: R1.1 R6.1 U1.7 U1.8 U2.1 U2.2 USB1.A4 USB1.A9 USB1.B4 USB1.B9 | length 1930.6
  Top1 w6: USB1.A9 590.39,509.61 578.58,521.42 ; USB1.B4 578.58,521.42 ; USB1.B9 577.58,698.58 ; USB1.A4 589.39,710.39 577.58,698.58 ; U1.8 867.5,581.5 873,576 v1(873,556) 874.56,556 U1.7 882.44,550 R1.1 ; R6.1 v1(1355,853) ; 577.58,698.58 547,668 v1(547,553) v1(566,534) 578.58,521.42 ; v1(1355,853) 1352.69,855.32 U2.2 U2.1 1313.61,837.75 1339.75,837.75 v1(1355,853)
  Top1 w10: R1.1 981,557 v1(981,563)
  Bottom4 w6: v1(547,553) v1(566,534) 848,534 870,556 v1(873,556)
  Bottom4 w10: v1(981,563) 997,547 1023,547 1063,587 1063,610 1035,638 1016,638 993,661 993,694 1004,705 1038,705 1071,672 1071,662 1110,623 1201.85,623 1242,663.15 1242,771 1324,853 v1(1355,853)
pads on no net: A1. J1.1 J1.2 J1.24 S1.0 S1.3 U1.1 U1.2 U1.6 U1.10 U1.11 U1.12 U1.13 U1.14 U1.15 U1.16 U1.17 U1.18 U1.19 U1.20 U1.21 U1.22 U1.23 U1.27 U2.3 U2.4 U5.26 U5.44 U5.45 U5.47 U5.48 U7.8 U8.2 U8.3 U8.4 U8.5 U8.6 U8.7 U8.12 U8.14 U8.15 U8.16 U8.17 U8.19 U8.21 U8.22 USB1.0 USB1.A5 USB1.A8 USB1.B5 USB1.B8

## Polygon pours and split planes (outlines as drawn)
GND on Top1 "Top1-GND" (solid, remove dead copper, pour order 0): 350,1100 1850,1100 1850,100 350,100
GND on Bottom4 "Bottom4-GND" (solid, remove dead copper, pour order 2): 350,1100 1850,1100 1850,100 350,100

## Keep-outs
Keep-Out Layer:
  the board outline again, w10

## Other copper
Top1:
  pour cut-out: 1420,1050 1420,890 1850,890 1850,1050
Bottom4:
  pour cut-out: 1420,1050 1420,890 1850,890 1850,1050

## Silkscreen, mask and mechanical layers (free items; w line width, h text height)
Top Overlay:
  text "TianWen-1" at 1364,862 h55
  text "Mini Rover" at 1354,809 h50
  text "by 稚晖君" at 1453,216 h35
  text "2020.7.19" at 1452,175 h40
Bottom Overlay:
  text "+   -" at 633,875 h100 r180
  text "Gnd" at 1696,832 h60
  text "ADC1" at 1694,704 h40
  text "ADC2" at 1694,602.69 h40
  text "SCL" at 1694,501.41 h40
  text "SDA" at 1694,400.1 h40
  text "MOTOR-A2" at 969,312 h40 r270
  text "MOTOR-A1" at 1029,312 h40 r270
  text "MOTOR-B2" at 1122,312 h40 r270
  text "MOTOR-B1" at 1181,312 h40 r270
  text "3.3V" at 1694,298.79 h40
  text "VBAT" at 1694,197 h40